# Allegro board Coral-Dev-Board-baseboard-layout-Allegro.brd (continued)
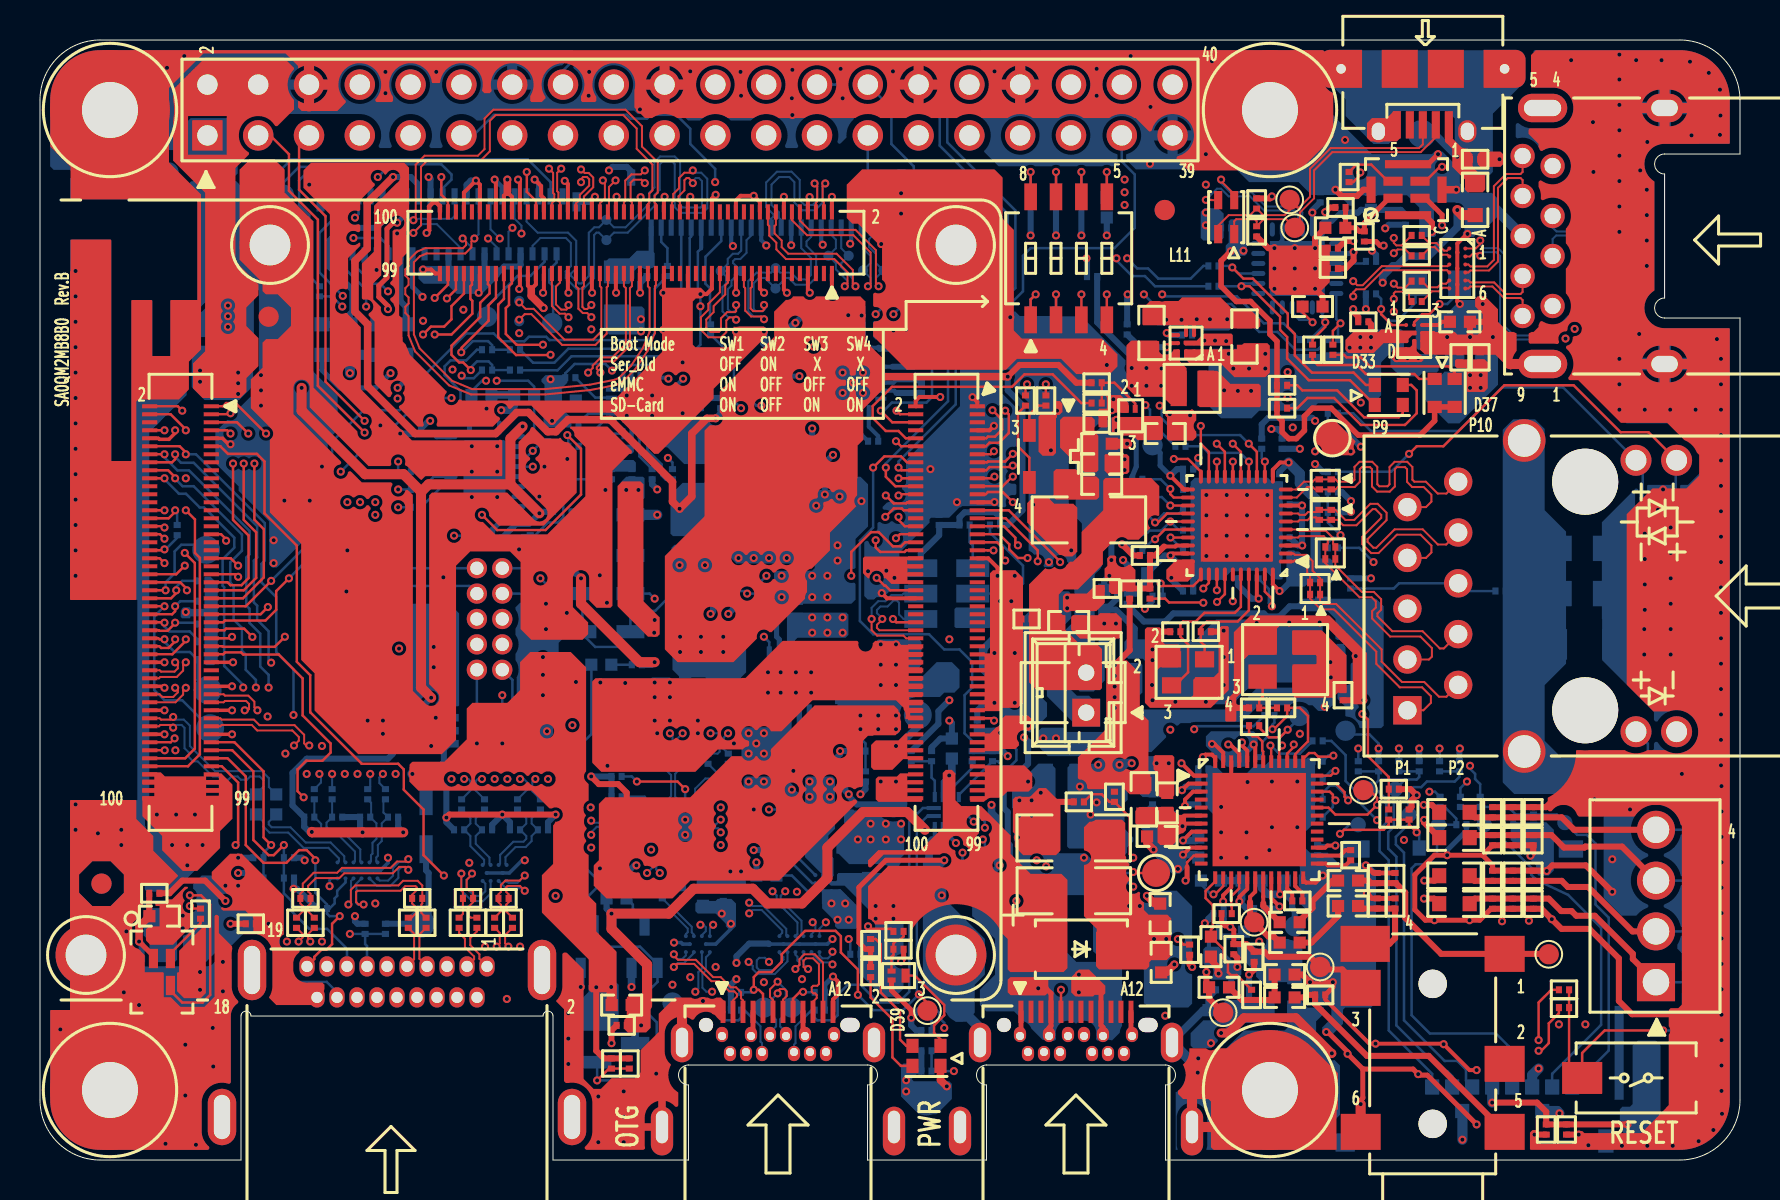
[diagram p0: board, top side]
## Routing (per net, layer and track width the routed paths; a pad name or vN(x,y) marks a point on that pad's centre or on a via; arc(x,y) is an arc through that point) (continued)
  L06_SIG2 w0.102: v1(18.01,36.32) 16.99,37.34 16.99,39.5 17.25,39.75 19.71,39.75 19.94,39.52 v1(20.63,39.52) ; v1(43.31,41.53) 45.97,41.53 49.12,44.68 52.5,44.68 52.86,45.03 52.86,45.52 ; v1(43.31,41.53) 43.31,42.37 42.88,42.8 40.39,42.8 39.85,42.27 38.18,42.27 v1(37.77,41.86) 37.77,41.78 36.7,40.72 33.68,40.72 32.89,41.51 v1(31.17,41.51) 30.71,41.05 28.27,41.05 27.97,40.74 26.19,40.74 25.58,41.35 25.58,42.04 25.4,42.22 24.77,42.22 24.64,42.35 24.64,42.85 v1(25.15,43.36) v1(26.42,43.36) 26.49,43.36 26.92,42.93 26.92,42.03 v1(26.42,41.53) v1(27.57,41.53) 27.82,41.53 29.65,43.36 v1(30,43.36) v1(31.17,43.36) 32.2,43.36 32.88,42.68 v1(33.02,42.68) 33.25,42.46 33.25,42.34 34.16,41.43 v1(34.8,41.43) v1(36.2,41.43) 36.35,41.43 36.63,41.71 36.63,41.94 37.35,42.65 v1(37.35,43.36) v1(38.49,43.36) v1(39.63,43.36) ; v1(43.31,41.53) 43.26,41.48 v1(42.67,41.48) 42.47,41.48 42.06,41.07 39.09,41.07 v1(38.68,40.67) ; v1(21.17,42.51) 21.77,42.51 24.1,40.18 24.18,40.18 25.05,39.32 25.25,39.32 v1(25.53,39.04) 25.6,38.96 28.19,38.96 28.6,39.37 v1(28.6,39.47) 28.96,39.83 31.72,39.83 31.78,39.88 v1(32.13,39.88) 32.59,39.42 32.59,38.84 32.28,38.53 30.91,38.53 v1(30.61,38.23) v1(29.34,38.23) 29.06,37.95 24.98,37.95 23.74,39.19 23.66,39.19 21.47,41.38 20.17,41.38 19.89,41.66 19.46,41.66 v1(19.15,41.96) ; v1(56.31,42.01) 56.31,42.8 56.63,43.12 56.63,44.41 53.8,47.24 53.8,49.63 53.95,49.78 55,49.78
  L06_SIG2 w0.203: v1(47.7,36.71) 48.27,36.71 48.9,37.34 50.72,37.34 v1(50.85,37.47) 52.2,37.47 52.77,38.04 v1(53.67,38.04) 53.76,38.04 54.89,36.91 56.11,36.91 v1(56.49,37.29) ; v1(54.1,30.78) 53.65,31.24 51.18,31.24 50.44,30.51 v1(50.44,29.9) 50.44,29.77 50.01,29.34 48.86,29.34 v1(48.74,29.21)
  L06_SIG2 w0.254: v1(48.74,29.21) v1(47.88,29.21) 47.72,29.21 46.99,29.94 46.99,32 47.72,32.74 v1(47.72,32.9) 47.12,33.5 47.12,36.2 47.63,36.71 v1(47.7,36.71) ; v1(39.24,33.27) 38.81,32.84 v1(38.81,32.72)
  L06_SIG2 w0.508: 22.56,8.13 J5.2 21.85,8.84 ; J3.13 82.51,52.6 ; J3.13 81.23,53.64 ; J3.13 79.95,52.6 ; J3.13 81.23,51.56 ; 75.07,46.2 J3.7 73.19,46.2 ; 27.64,2.15 J5.23 26.6,3.89 ; 23.96,9.5 J5.21 ; J5.21 25.1,11.44 ; J5.21 26.24,9.5 ; J3.4 75.63,50.64 ; J3.4 76.57,49.7 ; J3.4 75.63,48.76 ; 79.95,39.8 J3.12 ; J3.12 82.51,39.8 ; J3.12 81.23,40.84 ; J3.12 81.23,38.76 ; 20.35,10.39 J5.5 20.35,8.97 ; J3.11 75.13,53.64 ; J3.11 73.57,52.6 ; J3.11 75.13,51.56 ; J3.11 76.69,52.6 ; 8.06,2.15 J5.22 9.1,3.89 ; 31.21,5.88 J1.SH1 ; J2.SH4 57.6,3.51
  L07_GND3 w0.381: J1.B12 34.67,6.77 ; J1.B1 39.12,6.78
  L07_GND3 w0.508: J3.12 81.23,40.84 ; J3.12 81.23,38.76 ; J3.12 82.51,39.8 ; J3.12 79.95,39.8 ; J11.L1 81.83,22.52 ; J11.L1 81.83,20.31 ; J11.L1 82.93,21.41 ; 13.45,52.68 J15.6 ; J15.6 12.36,53.77 ; J15.6 14.54,53.77 ; J15.6 13.45,54.86 ; J12.3 20.55,25.78 ; 6.83,3.5 SH2.1 3.5,6.83 ; J3.13 81.23,53.64 ; J3.13 81.23,51.56 ; J3.13 82.51,52.6 ; J3.13 79.95,52.6 ; 49.01,52.68 J15.34 ; J15.34 49.01,54.86 ; J15.34 47.92,53.77 ; J15.34 50.1,53.77 ; 43.95,10.25 SSH1.1 ; SSH1.1 45.8,8.4 ; SSH1.1 45.8,12.1 ; SSH1.1 47.65,10.25 ; 24.06,9.5 J5.21 ; J5.21 25.1,11.34 ; J5.21 26.14,9.5 ; J3.4 75.63,50.64 ; J3.4 76.57,49.7 ; J3.4 75.63,48.76 ; 73.57,39.8 J3.10 ; J3.10 76.69,39.8 ; J3.10 75.13,38.76 ; J3.10 75.13,40.84 ; J2.SH4 57.6,3.75 ; J15.25 39.94,51.23 ; J15.25 37.76,51.23 ; J15.25 38.85,50.14 ; J15.25 38.85,52.32 ; 31.21,5.88 J1.SH1 32.1,7.2 ; 56.63,50.14 J15.39 ; J15.39 55.54,51.23 ; J15.39 57.72,51.23 ; J15.39 56.63,52.32 ; SSH3.1 47.65,45.75 ; SSH3.1 45.8,43.9 ; SSH3.1 43.95,45.75 ; SSH3.1 45.8,47.6 ; 9.56,9.5 J5.20 ; J5.20 11.64,9.5 ; J5.20 10.6,11.34 ; 21.85,8.84 J5.2 22.56,8.13 ; 42.84,53.77 J15.30 ; J15.30 45.02,53.77 ; J15.30 43.93,52.68 ; J15.30 43.93,54.86 ; 17.44,51.23 J15.9 ; J15.9 18.53,52.32 ; J15.9 18.53,50.14 ; J15.9 19.62,51.23 ; J5.8 18.85,8.84 ; 14.35,8.97 J5.17 14.35,10.39 ; SSH4.1 11.5,47.6 ; SSH4.1 9.65,45.75 ; SSH4.1 11.5,43.9 ; SSH4.1 13.35,45.75 ; J2.SH2 56.6,7.2 ; 73.19,46.2 J3.7 75.07,46.2 ; 7.5,2.15 J5.22 9.1,4.27 ; 41.7,7.2 J1.SH2 42.59,5.88 ; 58.17,52.5 SH3.1 ; SH3.1 61.5,49.17 ; SH3.1 64.83,52.5 ; SH1.1 64.83,3.5 ; SH1.1 61.5,6.83 ; SH1.1 58.17,3.5 ; 26.6,3.89 J5.23 27.64,2.15 ; 3.5,49.17 SH4.1 6.83,52.5 ; 2.3,8.4 SSH2.1 ; SSH2.1 2.3,12.1 ; SSH2.1 4.15,10.25 ; J12.5 20.73,27.05 ; 75.13,51.56 J3.11 ; J3.11 76.69,52.6 ; J3.11 73.57,52.6 ; J3.11 75.13,53.64 ; 22.52,53.77 J15.14 ; J15.14 23.61,54.86 ; J15.14 24.7,53.77 ; J15.14 23.61,52.68 ; J2.B12 49.63,6.2 ; 17.35,10.39 J5.11 17.35,8.97 ; 20.35,8.97 J5.5 20.35,10.39 ; J15.20 31.23,54.86 ; J15.20 30.14,53.77 ; J15.20 31.23,52.68 ; J15.20 32.32,53.77 ; 53.96,6.2 J2.B1 ; 39.07,6.2 J1.B1 ; 47,7.2 J2.SH1 46.11,5.87 ; J1.B12 34.74,6.2
  L07_GND3 w0.61: J2.SH2 57.63,5.87
  BOTTOM w0.127: TP72.1 65.47,21.27 66.48,21.27 66.93,20.83 v1(66.93,20.58) ; R175.2 26.26,39.33 26.73,39.8 28.27,39.8 v1(28.6,39.47) 28.88,39.75 32,39.75 v1(32.13,39.88) 33.02,40.77 v1(33.02,42.68) v1(33.02,43.29) 33.02,43.43 32.89,43.56 32.89,45.42 33.06,45.58
  BOTTOM w0.178: 36.45,10.79 U16.B1 U16.B2 U16.B3 39.37,10.79 v1(39.62,11.05) ; U11.B1 U11.B2 23.47,14.35 24.1,14.99 v1(24.24,14.99) ; U10.B1 U10.B2 U10.B3 17.02,14.48 17.4,14.86 v1(17.4,15.11) ; v1(31.7,10.87) 32.06,10.87 32.13,10.79 U17.B1 ; v1(34.54,11.81) 34.54,11.56 33.78,10.79 U17.B2
  BOTTOM w0.203: v1(30.61,38.23) 30.61,37.97 30.86,37.72 U15.13 ; U19.2 62.12,45.99 v1(61.72,45.59) ; v1(40.51,45.81) 40.56,45.86 P1.4 ; P1.10 v1(37.56,45.74) ; 33.06,45.58 P1.19 ; v1(30.61,37.21) 30.74,37.21 30.85,37.32 U15.14 ; U1.7 40.24,39.48 v1(40.13,39.37) ; P1.13 36.06,45.99 36.31,45.74 v1(36.31,45.72) ; v1(45.8,15.85) 45.54,16.11 U9.10 ; v1(34.65,45.7) 34.56,45.78 P1.16 ; v1(54.66,13.67) 54.38,13.95 U14.C1 ; U15.5 29.04,38.52 v1(29.34,38.23) ; v1(39.14,45.76) 39.06,45.84 P1.7 ; v1(40.13,38.35) 39.84,38.06 U1.20 ; v1(41.15,39.37) 41.26,39.26 U1.12
  BOTTOM w0.229: Q3.2 37.82,18.29 v1(37.59,18.52) ; v1(22.73,49.02) 23.13,48.63 P3.11
  BOTTOM w0.254: P1.1 v1(42.06,45.8) ; U12.4 37.97,24.38 ; P3.5 24.93,48.83 v1(24.73,49.02) ; U12.9 36.97,23.25 ; 73.79,16.76 D6.A ; 39.24,7.49 39.24,8.76 v1(39.65,9.17) ; v1(70.36,15.24) 70.36,15.49 71.32,16.46 D7.A ; U20.11 21.48,33.03 v1(21.59,33.15)
  BOTTOM w0.305: v1(65.55,32.95) 65.09,33.4 R79.1 ; R138.1 58.42,8.13 58.42,7.5 C31.2 ; R35.2 v1(38.61,36.58) ; v1(54.1,30.78) 54.31,30.78 R81.1 ; v1(28.45,49.48) 28.63,49.66 29.34,49.66 29.56,49.43 P1.25 ; v1(30.86,33.53) 30.61,33.78 C129.2 ; P3.32 v1(16.83,44.5) 16.83,44.5 16.66,44.5 16.23,44.94 P3.34 ; C131.1 25.37,33.17 v1(24.97,33.17) ; P3.17 21.33,48.76 21.54,48.97 v1(21.79,48.97) ; C128.1 28.27,33.73 v1(28.27,33.5) ; v1(45.47,21.97) 45.59,21.84 C17.2 45.03,21.07 44.58,20.62 R22.1 ; ESD4.1 ESD1.1 34.54,8.77 v1(34.82,9.04) ; P3.31 17.13,47.83 16.89,47.59 v1(16.89,47.37) ; v1(54.15,30) 54.15,29.97 54.36,29.76 C70.2 54.36,29.14 53.85,28.63 53.85,28.07 53.3,27.52 ; C112.2 32.39,37.59 v1(32.13,37.34) ; ESD12.1 12.7,13.58 v1(12.68,13.56) 12.85,13.56 R47.1 ; R98.2 57.61,41.96 ; v1(70.99,20.58) 70.97,20.55 D10.A ; v1(30,43.36) 30,43.85 C111.2 ; v1(37.77,41.86) 38.46,42.55 C69.2 ; C72.2 53.3,27.52 ; 53.3,27.52 53.79,27.52 54.74,26.57 C34.2 ; 22.91,44.38 23.21,44.67 23.95,44.67 24.03,44.75 P3.8 ; R142.1 33.02,39.73 32.87,39.88 v1(32.13,39.88) ; C130.1 26.54,34.87 v1(26.37,35.05) ; R166.1 25.78,36.83 25.6,37.01 ; v1(9.91,14.35) 10.41,14.35 ESD8.1 ; R31.1 v1(35.82,14.88) ; v1(43.31,3.99) 43.76,4.45 ESD6.1 R32.1 ; v1(15.32,28.43) 15.6,28.7 16.13,28.7 ; P3.14 22.23,44.58 22.21,44.57 ; C132.1 v1(18.01,36.32) ; R163.2 v1(53.34,46.23) ; D3.A v1(66.93,20.58) ; v1(47.72,22.86) 47.24,22.86 46.86,22.48 C110.2 ; R75.1 v1(65.53,35.43) ; v1(19.56,20.7) 19.45,20.81 Q8.4 ; v1(23.95,30.53) 24.31,30.53 R197.1 ; D2.A v1(68.96,20.58) ; v1(25.22,34.67) 25.4,34.84 R196.1 ; C134.1 v1(66.55,29.08) ; P3.MT2 27.49,47.91 v1(27.75,48.16) ; R77.1 64.14,34.42 v1(63.75,34.8) ; v1(48.51,42.14) 48.62,42.04 R89.1 R99.1 ; C67.2 v1(39.24,33.27) ; 16.13,30.73 15.88,30.48 v1(15.37,30.48) ; v1(29.82,14.73) 29.72,14.73 C94.2 ; R33.1 43.82,6.48 43.56,6.73 v1(43.56,7.11) 43.94,7.49 ESD17.1 ; C89.2 64.9,48.51 v1(64.77,48.51) ; v1(15.75,12.19) 15.75,11.94 15.88,11.81 ESD13.1 ; R127.2 v1(40.01,20.45) 40.01,20.29 39.7,19.99 39.32,19.99 R124.1 ; C71.2 C73.2 ; 36.45,10.79 36.42,10.82 35.46,10.82 34.82,10.19 v1(34.82,9.86) ; 20.43,44.51 P3.20
  BOTTOM w0.381: Q22.1 v1(29.58,8.65) ; v1(13.46,48.77) 14.03,48.2 P3.MT1 ; v1(37.77,41.86) 37.21,41.3 37.21,40.91 C106.2 36.51,40.53 36.2,40.84 v1(36.2,41.43) ; J2.SH2 56.6,5.93 58.17,7.49 C31.2 ; Q8.1 v1(19.79,22.11) ; Q23.1 v1(27.04,8.65)
  BOTTOM w0.508: J15.39 56.63,52.32 ; J15.39 55.54,51.23 ; J15.39 56.63,50.14 ; J15.39 57.72,51.23 ; J15.34 49.01,54.86 ; J15.34 47.92,53.77 ; J15.34 50.1,53.77 ; J15.34 49.01,52.68 ; v1(71.12,1.02) 71.12,2.44 J8.G1 ; 12.36,53.77 J15.6 ; J15.6 14.54,53.77 ; J15.6 13.45,54.86 ; J15.6 13.45,52.68 ; J15.14 24.7,53.77 ; J15.14 22.52,53.77 ; J15.14 23.61,54.86 ; J2.SH2 56.63,5.84 56.64,5.84 57.4,5.08 v1(57.91,5.08) ; 32.32,53.77 J15.20 30.14,53.77 ; J3.7 72.32,48.01 FB6.2 71.43,48.01 70.92,48.51 v1(70.82,48.51) ; J2.SH1 47,6.59 TP42.1 ; v1(74.93,4.57) 74.61,4.25 J8.6 ; J8.G2 75.86,2.45 v1(75.97,2.34) ; J2.SH4 57.6,3
  BOTTOM w0.635: J3.12 82.44,39.8 ; J3.12 81.23,38.83 ; J3.12 81.23,40.77 ; J3.12 80.02,39.8 ; J3.13 81.23,53.57 ; J3.13 81.23,51.63 ; J3.13 80.02,52.6 ; J3.13 82.44,52.6
  vias: v1(1.02,6.53) v1(1.78,44.45) v1(1.78,43.18) v1(1.78,41.91) v1(1.78,40.64) v1(1.78,39.37) v1(1.78,38.1) v1(1.78,36.83) v1(1.78,35.56) v1(1.78,34.29) v1(1.78,33.02) v1(1.78,31.75) v1(1.78,30.48) v1(1.78,29.21) v1(1.78,17.78) v1(1.78,16.51) v1(2.9,16.33) v1(4.06,16.51) v1(4.06,15.75) v1(4.19,8.38) v1(4.32,11.43) v1(4.95,7.75) v1(6.35,54.61) v1(6.27,0.81) v1(6.77,20.49) v1(7.14,12.22) v1(7.14,11.58) v1(7.21,55.19) v1(7.29,34.09) v1(7.26,5.77) v1(7.26,3.23) v1(7.8,0.76) v1(8,9.4) v1(8,8.51) v1(8.64,6.6) v1(8.66,4.67) v1(9.14,9.91) v1(9.14,8.43) v1(11.05,39.24) v1(11.05,38.48) v1(11.05,37.72) v1(11.38,22.17) v1(11.68,30.99) v1(11.68,29.84) v1(12.22,32.97) v1(12.27,20.32) v1(12.34,10.92) v1(13.34,19.3) v1(13.49,32.97) v1(14.1,34.67) v1(14.1,20.7) v1(14.1,10.92) v1(15.24,19.3) v1(15.88,19.3) v1(16.38,21.97) v1(16.76,12.83) v1(17.02,36.73) v1(17.15,21.97) v1(17.15,21.31) v1(17.27,54.41) v1(17.27,53.34) v1(17.78,19.3) v1(17.86,46.33) v1(19.69,25.65) v1(19.69,24.64) v1(19.81,54.41) v1(20.17,29.13) v1(20.57,19.05) v1(21.46,14.86) v1(21.59,35.69) v1(21.59,34.42) v1(22.33,37.57) v1(22.25,10.67) v1(22.73,19.05) v1(22.86,35.69) v1(22.86,34.42) v1(22.86,33.15) v1(23.34,8.05) v1(23.37,19.05) v1(23.96,41.34) v1(24,10.67) v1(25.3,27.81) v1(25.3,26.54) v1(25.35,21.44) v1(25.4,19.05) v1(25.6,36.96) v1(26.34,27.36) v1(26.42,7.34) v1(26.42,6.07) v1(26.42,4.8) v1(26.62,21.74) v1(27.43,53.21) v1(27.46,54.41) v1(27.53,17.63) v1(27.56,15.62) v1(27.91,3.17) v1(27.91,0.89) v1(27.99,29.24) v1(28.02,23.88) v1(28.35,27.86) v1(28.37,19.71) v1(29.18,3.43) v1(29.18,2.16) v1(29.18,0.89) v1(29.34,37.21) v1(29.26,23.85) v1(30,52.53) v1(30.56,15.52) v1(30.73,23.88) v1(30.73,23.14) v1(30.73,21.97) v1(30.81,4.32) v1(30.86,21.34) v1(31.5,23.88) v1(31.5,23.14) v1(31.5,21.97) v1(31.62,8.76) v1(31.98,29.74) v1(32.26,17.02) v1(32.26,16.26) v1(32.51,54.43) v1(32.51,9.14) v1(32.89,21.97) v1(32.89,21.34) v1(33.15,7.95) v1(33.25,29.74) v1(33.78,9.65) v1(34.04,17.63) v1(34.04,15.75) v1(34.09,12.32) v1(34.7,20.83) v1(35.03,54.41) v1(35.05,53.21) v1(35.43,18.92) v1(36.2,18.92) v1(36.2,8.89) v1(36.4,24.38) v1(36.4,23.37) v1(37.03,24.38) v1(37.03,23.37) v1(37.08,29.21) v1(37.08,28.14) v1(37.62,54.51) v1(37.59,53.09) v1(37.62,52.25) v1(37.8,24.38) v1(37.8,23.37) v1(37.85,13.41) v1(38.1,9.04) v1(38.61,29.21) v1(38.61,28.14) v1(38.56,24.38) v1(38.56,23.37) v1(39.37,29.21) v1(39.37,28.14) v1(39.57,12.83) v1(39.88,30.73) v1(39.88,29.97) v1(39.88,12.01) v1(40.03,54.56) v1(39.98,33.17) v1(40.13,53.09) v1(40.26,12.83) v1(40.44,12.01) v1(40.67,38.86) v1(40.89,16.03) v1(41.15,38.35) v1(41.07,32.94) v1(41.4,29.44) v1(41.53,16.81) v1(41.53,16.03) v1(42.04,25.78) v1(42.04,24.77) v1(42.04,23.75) v1(42.32,29.46) v1(42.29,16.81) v1(42.29,16.03) v1(42.65,54.43) v1(42.72,29.11) v1(42.8,25.78) v1(42.8,24.77) v1(42.8,23.75) v1(43.05,48.34) v1(43.05,47.32) v1(43.05,16.81) v1(43.05,16.03) v1(43.31,3.43) v1(44.52,34.54) v1(45.09,13.23) v1(45.85,32.89) v1(47.73,54.43) v1(47.72,25.35) v1(48.01,27.94) v1(48.57,27.94) v1(48.74,22.86) v1(48.9,16.13) v1(48.97,17.98) v1(48.97,17.22) v1(49.58,17.98) v1(49.58,17.22) v1(50.04,18.36) v1(52.2,15.11) v1(52.83,54.56) v1(52.83,53.21) v1(53.34,39.75) v1(54.23,47.75) v1(54.53,55.19) v1(55.52,52.65) v1(55.5,49.81) v1(55.63,25.53) v1(55.63,24.99) v1(55.6,23.75) v1(55.63,22.99) v1(55.83,19.84) v1(56.44,19.84) v1(56.77,22.91) v1(57.07,42.01) v1(57.51,37.24) v1(57.84,42.04) v1(57.89,4.37) v1(58.29,50.29) v1(58.29,48.77) v1(58.32,33.25) v1(58.32,32.23) v1(58.32,31.22) v1(58.32,30.2) v1(58.29,22.91) v1(58.5,42.04) v1(58.6,54.94) v1(59.06,17.65) v1(59.06,16.38) v1(59.06,15.11) v1(59.18,25.15) v1(59.18,23.75) v1(59.33,33.25) v1(59.33,32.23) v1(59.33,31.22) v1(59.33,30.2) v1(59.36,42.04) v1(59.64,27.94) v1(60.33,16.38) v1(60.33,15.11) v1(60.35,33.25) v1(60.35,32.23) v1(60.35,31.22) v1(60.35,30.2) v1(60.38,18.9) v1(60.83,26.85) v1(61.37,33.25) v1(61.37,32.23) v1(61.37,31.22) v1(61.37,30.2) v1(61.47,15.49) v1(61.6,18.92) v1(61.6,16.64) v1(61.72,44.58) v1(61.72,43.56) v1(62.38,39.4) v1(62.38,38.13) v1(62.46,26.87) v1(62.64,36.63) v1(62.74,45.59) v1(62.74,44.58) v1(62.74,43.56) v1(62.87,18.92) v1(62.87,16.64) v1(62.99,21.31) v1(63.98,26.87) v1(65.25,51) v1(65.79,25.2) v1(66.04,37.87) v1(67.69,42.42) v1(70.36,41.15) v1(72.14,42.8) v1(72.64,41.15) v1(72.97,50.04) v1(73.1,11.94) v1(74.45,11.96) v1(75.95,6.78) v1(76.56,54.99) v1(77.27,6.78) v1(77.42,0.74) v1(77.65,51.89) v1(77.67,49.4) v1(77.72,18.03) v1(78.61,15.04) v1(78.97,55.27) v1(78.97,54.03) v1(78.97,52.76) v1(78.97,51.49) v1(78.97,50.22) v1(78.97,48.95) v1(78.97,47.68) v1(78.97,46.41) v1(78.97,40.06) v1(78.97,38.79) v1(78.97,37.52) v1(79.1,0.71) v1(79.81,54.99) v1(80.01,49.48) v1(79.96,41.3) v1(80.24,37.52) v1(80.24,31.32) v1(80.24,30.05) v1(80.24,28.78) v1(80.24,27.51) v1(80.21,26.54) v1(80.21,25.27) v1(80.34,48.51) v1(80.34,47.24) v1(80.34,45.97) v1(80.34,44.7) v1(80.37,50.9) v1(80.37,0.71) v1(80.9,32.51) v1(81.08,54.99) v1(81.15,33.53) v1(81.51,37.52) v1(81.53,31.62) v1(81.53,30.35) v1(81.53,29.08) v1(81.53,27.81) v1(81.53,26.54) v1(81.53,25.27) v1(81.64,0.71) v1(82.09,19.3) v1(82.5,54.91) v1(82.58,51.23) v1(82.78,37.52) v1(82.93,0.94) v1(83.44,54.36) v1(83.67,1.5) v1(83.85,41.05) v1(84,53.52) v1(84.02,52.22) v1(84,51.26) v1(84.05,40.06) v1(84.05,38.79) v1(84.05,37.52) v1(84.05,36.25) v1(84.05,34.98) v1(84.05,33.71) v1(84.05,32.44) v1(84.05,31.17) v1(84.05,29.9) v1(84.05,28.63) v1(84.05,27.36) v1(84.05,26.09) v1(84.05,24.82) v1(84.05,23.55) v1(84.05,22.28) v1(84.05,21.01) v1(84.05,19.74) v1(84.07,18.69) v1(84.07,17.42) v1(84.07,16.15) v1(84.07,14.88) v1(84.07,13.61) v1(84.07,12.34) v1(84.07,11.07) v1(84.07,9.8) v1(84.07,8.53) v1(84.07,7.26) v1(84.07,5.99) v1(84.07,4.72) v1(84.07,3.45) v1(84.1,2.31)
V3V3_VIO: length 25.5
  TOP w0.279: D37.3 D37.1 69.73,36.96 69.01,36.25 65.91,36.25 64.56,37.59 63.63,37.59 63.22,37.19 63.22,36.47 62.81,36.07 62.43,36.07 62.1,36.4 62.1,36.96 61.85,37.21 61.85,40.94 61.5,41.29 61.5,41.96 60.53,42.93 59.82,42.93 59.06,43.69 59.06,44.96 v1(59.54,45.44)
  BOTTOM w0.229: U19.5 v1(63.62,47.37)
  BOTTOM w0.305: R73.2 67.44,46.76 v1(67.26,46.58) ; v1(63.62,47.37) 63.62,47.49 C83.1 ; R92.2 66.8,45.26 v1(66.6,45.47)
  vias: v1(60.17,45.47)
VBUS_CP210X: length 14
  TOP w0.305: C87.1 65.28,44.58 65.68,44.97 v1(65.68,45.4) ; v1(65.68,45.95) 65.25,45.95 C86.1
  TOP w0.508: v1(70.87,47.5) 71.12,47.24 FB5.2
  L06_SIG2 w0.381: v1(67.13,43.87) 66.64,43.87 65.68,44.83 v1(65.68,45.4) v1(65.68,45.95)
  BOTTOM w0.254: U19.8 65.6,45.33 v1(65.68,45.4) ; v1(65.68,45.95) 65.3,45.95 65.18,45.83 U19.7
  BOTTOM w0.381: v1(70.87,47.5) 70.87,46.63 69.42,45.19 68.33,45.19 67.84,44.7 67.64,44.7 67.13,44.2 v1(67.13,43.87)
VBUS_CTRL: length 5.6
  TOP w0.127: v1(54.66,15.11) 54.48,15.29 54.48,17.14 R14.2 53.47,17.91 53.09,18.29 52.58,18.29 R12.1
  BOTTOM w0.127: U14.A1 54.3,14.75 v1(54.66,15.11)
VBUS_DT: length 1.7
  TOP w0.127: TP6.1 54.71,14.35 v1(54.66,14.4)
  BOTTOM w0.127: U14.B1 54.61,14.35 v1(54.66,14.4)
VDD_3V3: length 2.1
  BOTTOM w0.305: v1(66.04,35.66) 65.38,36.32 R74.1 ; R78.1 65.52,32.38 v1(65.55,32.41)
  vias: v1(42.04,18.92) v1(42.8,18.92) v1(50.17,21.08) v1(50.8,21.08) v1(64.24,22.66)
VDDA_1V8: length 26
  L03_SIG1 w0.381: v1(40.44,18.29) 40.44,19.13 36.83,22.73 35.98,22.73 33.6,25.11 33.6,27.23 v1(33.53,27.3)
  L06_SIG2 w0.381: v1(40.44,18.29) 40.44,18.47 40.79,18.82 41.4,18.82 41.82,18.4 43.68,18.4 43.89,18.62 46.23,18.62 46.53,18.92 v1(49.4,18.92)
  BOTTOM w0.305: R17.2 40.26,18.47 v1(40.44,18.29) 40.44,18.19 40.84,17.78 42.62,17.78 TP53.1 ; v1(33.53,27.3) 33.66,27.43 R13.2
VIN_CC1: length 10
  TOP w0.127: J2.A5 v1(51.05,8.51)
  L06_SIG2 w0.102: v1(51.05,8.51) 51.05,8.5 50.67,8.13 47.12,8.13 45.59,6.6 v1(45.21,6.6)
  BOTTOM w0.127: v1(45.21,6.6) 45.21,6.86 44.96,7.11 44.96,7.37 44.83,7.49 ESD17.2 R33.2
VIN_CC2: length 13.3
  L06_SIG2 w0.102: J2.B5 52.6,5.86 52.67,5.94 52.67,6.76 51.69,7.75 47.24,7.75 46.1,6.6 46.1,4.85 v1(45.69,4.45)
  BOTTOM w0.127: R32.2 ESD6.2 v1(45.69,4.45)
ANALOG_1V8: length 22.1
  TOP w0.203: U2.7 57.25,16.82 v1(57.12,16.69) ; v1(62,13.28) 61.96,13.33 U2.21 ; U2.6 57.2,17.22
  L03_SIG1 w0.381: v1(62,13.28) 62,13.31 61.16,14.15 58.45,14.15 57.79,14.81 57.79,16.38 57.48,16.69 v1(57.12,16.69)
  L06_SIG2 w0.381: v1(62,13.28) 61.32,13.97 58.55,13.97 57.96,14.55 57.96,15.95 57.22,16.69 v1(57.12,16.69)
  BOTTOM w0.305: C37.1 57.07,16.64 v1(57.12,16.69) ; v1(62,13.28) 62.28,13.28 C35.1 62.61,12.57 62.74,12.45 TP13.1
  BOTTOM w0.381: C39.1 62.24,13.52 v1(62,13.28) 61.39,13.28 61.08,13.6 C38.1
BB_1V8: length 113.5
  TOP w0.305: R60.2 54.48,25.49 v1(53.73,24.74) ; v1(27.56,19.18) 27.94,18.8 28.91,18.8 29.34,18.36 29.34,17.65
  TOP w0.508: 23.52,33.78 19.43,33.78 19.07,33.42 19.05,33.42 ; 23.52,33.78 23.52,36.07 v1(24.13,36.68) ; 23.52,33.78 v1(24.97,32.33) ; v1(19.56,23.11) 19.05,23.62 19.05,33.42 ; 19.05,33.42 18.18,34.29 16.26,34.29 13.08,37.47 v1(13.08,38.61)
  L03_SIG1 w0.508: v1(24.13,36.68) 23.32,37.49 v1(23.06,37.49) ; v1(19.43,49.15) 18.8,49.78 16.51,49.78 14.48,47.75 14.48,44.67 13.08,43.27 v1(13.08,38.61)
  L06_SIG2 w0.508: v1(49.2,21.13) 49.2,19.99 48.79,19.58 46.58,19.58 46.23,19.94 44.07,19.94 43.64,19.51 39.29,19.51 36.83,21.97 35.31,21.97 34.72,22.56 25.37,22.56 24.84,22.02 20.78,22.02 19.69,23.11 v1(19.56,23.11)
  BOTTOM w0.203: U5.5 33.06,15.2 33.43,14.83
  BOTTOM w0.254: U20.2 23.93,36.47 v1(24.13,36.68)
  BOTTOM w0.305: R211.2 23.8,31.8 24.44,31.8 v1(24.97,32.33) 25.04,32.41 C131.2 ; Q8.5 19.18,21.46 ; 19.18,21.46 Q8.2 ; 19.18,21.46 19.18,22.73 v1(19.56,23.11) ; v1(35.69,17.53) 35.56,17.4 34.93,17.4 R8.1 ; R144.2 46.36,13.59 46.61,13.84 47.96,13.84 48.49,14.38 48.49,15.75 48.39,15.85 48.39,17.4 48.18,17.6 48.18,18.59 49.4,19.81 49.4,20.93 v1(49.2,21.13) ; R10.1 28.53,15.11 v1(28,14.58) ; v1(27.56,19.18) R6.1 R9.1 ; v1(37.67,19.46) 37.67,19.51 R128.1 ; v1(19.43,49.15) 19.53,49.05 P3.23
  BOTTOM w0.381: R167.2 R168.2 23.71,37.73 23.47,37.49 v1(23.06,37.49)
  vias: v1(34.52,14.43) v1(35.05,14.43) v1(41.02,22.23) v1(41.02,21.54) v1(41.91,22.23) v1(41.91,21.54) v1(42.8,22.23) v1(42.8,21.54) v1(53.73,24.21) v1(53.73,23.67) v1(53.73,23.14) v1(53.73,22.61)
BB_3V3: length 205.5
  TOP w0.203: U2.2 57.43,18.82 v1(57.1,18.49)
  TOP w0.254: U4.2 69.27,48.09 70.1,47.26 v1(70.1,46.74) ; R113.2 R112.2 41.28,10.54 40.95,10.87 40.95,13.63 42.3,14.99 v1(45.21,14.99)
  TOP w0.305: v1(48.39,39.17) 48.97,39.75 50.93,39.75 51.82,38.86 R201.2 ; v1(9.27,12.95) 8.26,13.97 7.11,13.97 6.48,13.34 R206.1 ; R5.2 60.71,9.53 v1(60.45,9.27) ; R117.2 C92.1 28.19,5.08 27.81,5.46 v1(27.81,8.64) ; R207.2 64.49,47.62 v1(64.26,47.4)
  TOP w0.381: 41.86,39.17 v1(48.39,39.17)
  TOP w0.508: 28.58,8.63 R116.1 ; v1(30.73,24.89) 29.97,24.89 27.05,27.81 v1(27.05,29.08)
  L03_SIG1 w0.305: v1(47.57,17.75) 44.09,17.75 43.56,18.29 v1(41.02,18.29)
  L03_SIG1 w0.381: v1(47.57,17.75) 47.57,19.38 v1(48.39,20.19) ; v1(26.8,23.9) 28.14,22.56 28.14,20.68 29.1,19.72 29.1,18.91 30.1,17.91 33.02,17.91 33.27,18.16 34.29,18.16 35.69,16.76 v1(35.69,15.49)
  L03_SIG1 w0.508: v1(48.82,12.95) 48.82,13.89 v1(47.98,14.73)
  L06_SIG2 w0.254: v1(47.98,14.73) 46.03,14.73 45.77,14.99 v1(45.21,14.99) ; v1(45.47,26.04) 46.91,27.48 49.36,27.48 50.7,28.83 52.71,28.83 53.09,28.45 54.1,28.45 54.99,27.56 v1(55.25,27.56)
  L06_SIG2 w0.305: v1(9.27,12.95) 11.05,12.95 12.45,14.35 16.89,14.35 18.87,12.37 25.22,12.37 28.56,9.03 v1(28.56,8.65)
  L06_SIG2 w0.381: v1(48.82,12.95) 49.07,13.21 51.56,13.21 53.24,14.88 53.24,16.41 53.7,16.87 53.7,17.81 54.58,18.69 56.9,18.69 v1(57.1,18.49) ; v1(7.29,27.4) 9.12,25.57 v1(17.95,25.57)
  L06_SIG2 w0.508: v1(58.55,5.84) 58.42,5.97 58.42,6.7 58.7,6.99 64.57,6.99 64.82,6.73 66.93,6.73 67.69,7.49 67.69,15.49 v1(68.2,16)
  BOTTOM w0.203: U9.12 44.74,16.14 44.6,16 ; U1.8 40.64,40.94
  BOTTOM w0.254: C132.2 19.68,36.32 19.84,36.17 U20.19 ; R61.2 55.63,27.94 v1(55.25,27.56)
  BOTTOM w0.305: v1(35.69,15.49) 36.04,15.49 36.3,15.24 36.45,15.24 36.45,15.7 36.32,15.83 R30.2 ; v1(34.16,26.16) 34.93,26.92 R121.2 ; C132.2 19.05,36.58 19.43,36.96 v1(19.51,36.96) ; R100.1 v1(50.8,46.23) ; R4.2 R11.2 48.13,20.45 v1(48.39,20.19) ; R3.2 47.73,14.48 v1(47.98,14.73) ; R90.2 v1(49.53,46.23) ; R106.2 26.8,29.34 v1(27.05,29.08) ; v1(41.02,18.29) 41.28,18.54 R126.1 ; R105.2 v1(23.11,20.83) ; R161.2 54.36,43.26 v1(54.38,43.28) ; R119.2 30.61,24.77 v1(30.73,24.89) ; C44.1 C11.1 57.28,18.67 v1(57.1,18.49) ; R21.2 v1(66.29,42.55) ; Y1.6 44.04,30.32 44.96,31.24 C59.2 R46.2 45.97,32.13 46.23,32.38 47.75,32.38 48.01,32.13 R45.2 48.39,31.75 49.12,32.49 49.12,37.74 48.39,38.48 v1(48.39,39.17) ; R108.2 v1(21.84,20.83) ; v1(63.75,36.96) 63.6,37.11 61.42,37.11 61.09,36.78 R62.2 ; 60.45,7.8 v1(60.45,9.27) ; v1(52.07,46.23) R91.1 ; v1(45.47,22.99) 44.92,22.44 44.92,21.81 R2.2
  BOTTOM w0.381: 40.64,40.94 40.64,41.22 C104.1 41.08,41.66 v1(41.08,42.22) ; v1(47.57,17.75) 47.57,17.35 47.78,17.14 47.78,15.49 47.88,15.39 47.88,14.83 v1(47.98,14.73) ; v1(45.21,14.99) 44.95,14.72 C16.1 44.45,15.85 44.6,16
  BOTTOM w0.508: D9.A 19.3,18.62 v1(18.62,19.3) ; TP34.1 32.13,26.29 ; D38.A v1(30.86,32.26)
  vias: v1(25.15,25.15) v1(25.15,24.26) v1(25.15,23.24) v1(30.05,42.04) v1(30.05,41.43) v1(32,26.16) v1(32,25.4) v1(33.05,26.16) v1(33.05,25.4) v1(34.16,25.4) v1(40.41,42.24) v1(58.29,47.37) v1(58.29,46.74) v1(64.52,24.89) v1(64.54,24.13)
BOOST_5V: length 0.8
  TOP w0.305: v1(66.55,41.15) 66.55,41.78 C22.1
  vias: v1(59.44,40.31) v1(59.66,39.57) v1(60.45,39.57) v1(61.27,40.31) v1(61.27,39.57) v1(65.48,40.61) v1(66.01,41.15) v1(66.01,40.61) v1(66.55,40.61)
BOOT_MODE0: length 60
  TOP w0.127: SW1.2 v1(50.8,43.28) ; v1(7.29,26.03) 7.29,25.96 6.62,25.29 J1312.64
  L03_SIG1 w0.102: v1(7.29,26.03) 7.29,26.21 8.26,27.18 8.26,28.87 10.89,31.5 16,31.5 v1(16.76,32.26)
  L06_SIG2 w0.102: v1(16.76,32.26) 18.08,32.26 19.86,34.04 23.44,34.04 24.71,32.77 26.04,32.77 26.92,31.88 38.51,31.88 39.17,32.54 43.21,32.54 43.92,33.24 43.92,35.28 45.39,36.75 45.39,38.71 48.13,41.45 48.82,41.45 50.65,43.28 v1(50.8,43.28)
  BOTTOM w0.127: R99.2 v1(50.8,43.28)
BOOT_MODE1: length 61.8
  TOP w0.127: v1(49.78,43.28) 49.53,43.03 SW1.1 ; v1(6.76,26.03) 6.76,25.93 6.43,25.6 6.05,25.6 5.97,25.69 J1312.62
  L03_SIG1 w0.102: v1(16.76,32.89) 15.67,31.8 10.76,31.8 7.87,28.92 7.87,27.3 6.76,26.19 v1(6.76,26.03)
  L06_SIG2 w0.102: v1(16.76,32.89) 17.02,33.15 18.47,33.15 20.12,34.8 23.11,34.8 24.27,33.63 27.18,33.63 27.52,33.97 31.12,33.97 31.37,33.72 31.37,32.51 31.7,32.18 37.97,32.18 38.35,32.56 38.35,33.02 39.11,33.78 40.97,33.78 41.91,32.84 43.08,32.84 43.61,33.37 43.61,37.36 48.01,41.76 48.69,41.76 49.78,42.85 v1(49.78,43.28)
  BOTTOM w0.127: R89.2 49.53,43.03 v1(49.78,43.28)
CAM1_PWDN: length 5.3
  BOTTOM w0.127: P1.17 34.06,45.95 33.27,45.16 33.27,43.81 33.5,43.59 33.5,41.81 R136.2
CAM1_RESETB: length 2
  BOTTOM w0.127: P1.23 31.06,45.9 31.37,45.59 R137.2
CAM_I2C_SCL: length 14.6
  BOTTOM w0.127: P1.20 32.56,46.18 32.48,46.1 32.48,41.25 31.42,40.18 26.57,40.18 25.88,39.48 24.02,39.48 R129.2
CAM_I2C_SDA: length 14.2
  BOTTOM w0.127: P1.21 32.06,41.38 31.24,40.56 26.42,40.56 25.72,39.87 24.65,39.87 R132.2
